# KiCad board pinstripe.kicad_pcb (continued)
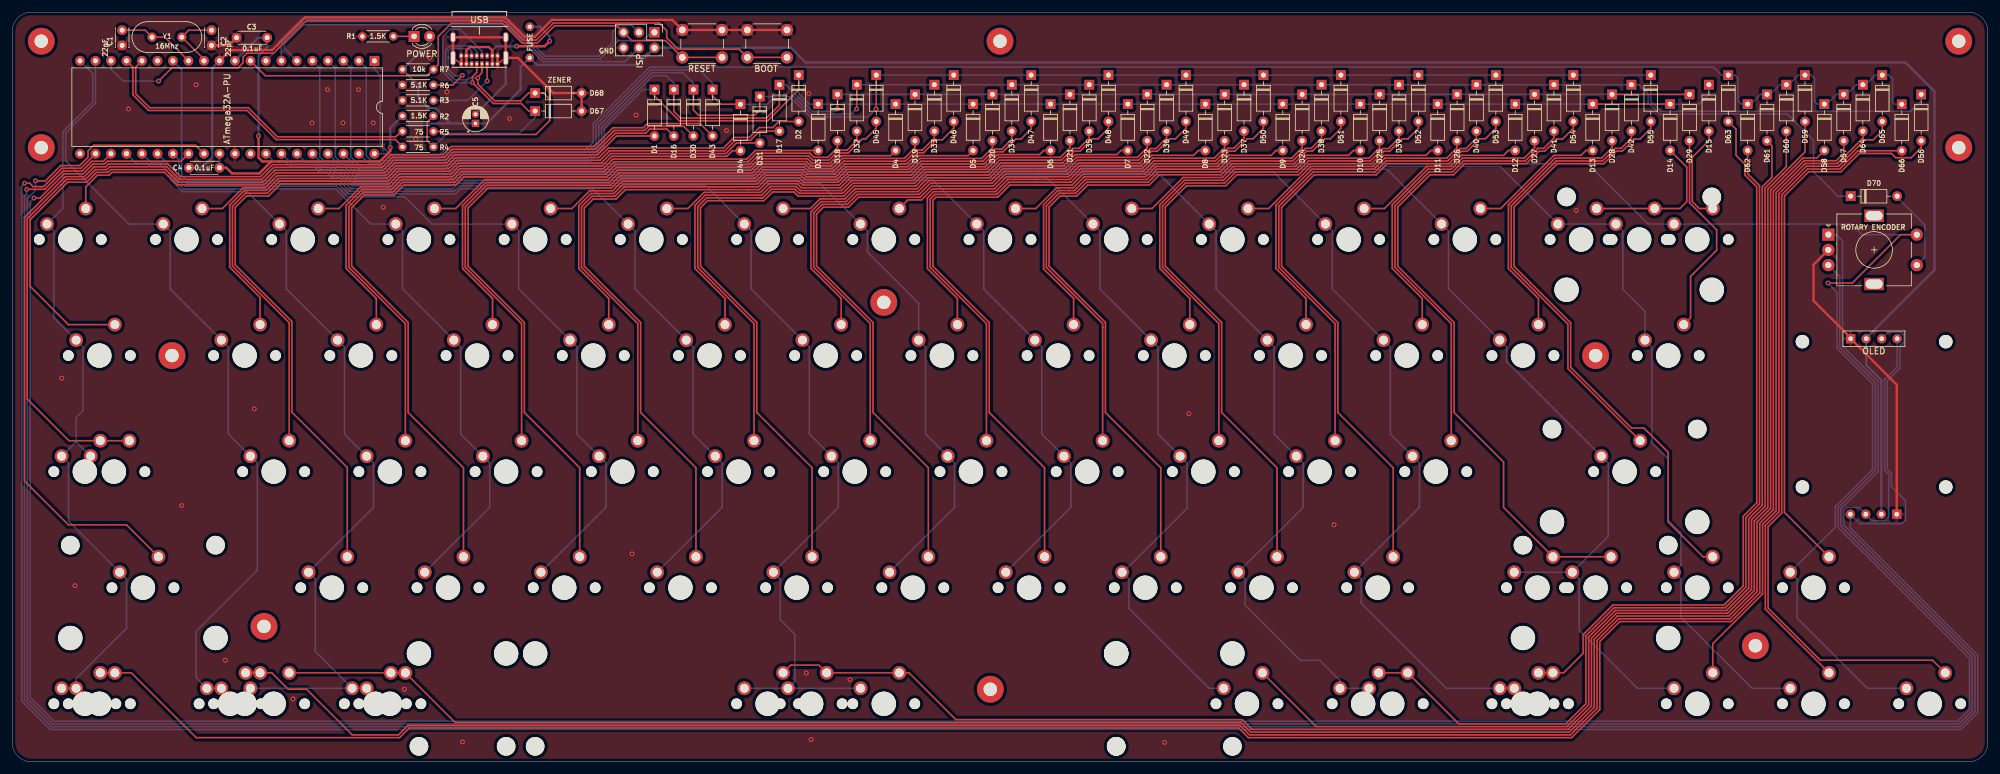
[diagram p0: board, top side]
## Routing (per net, layer and track width the routed paths; a pad name or vN(x,y) marks a point on that pad's centre or on a via; arc(x,y) is an arc through that point)
+5V: length 427.3
  Top w0.381: 75.95,105.1 75.84,105.1 ; v1(61.98,100.81) 61.98,100.24 60.27,98.53 43.81,98.53 ; 43.81,98.53 42.46,98.53 ; 43.81,98.53 43.68,98.53 ; 42.46,98.53 41.01,98.53 40.39,99.16 v1(40.39,102.71) ; 42.46,98.53 40.49,96.56 36.05,96.56 35.1,97.5 C4.1
  Bottom w0.381: OLED.2 303.91,65.12 306.39,62.64 DS1307.2 ; U1.10 36.69,115.05 ; U1.10 40.3,118.84 C3.1 41.78,117.28 40.39,115.89 40.39,104.11 ; U1.10 36.51,115.6 ; POWER.2 68.42,118.08 R7.1 66.55,111.06 66.55,109.19 68.2,107.28 69.34,107.28 71.85,104.77 ; 71.85,104.77 65.2,104.77 R2.1 61.98,104.02 v1(61.98,100.81) ; 71.85,104.77 C5.1 77.79,104.77 83.34,110.33 83.34,114.06 F1.1 86,114.39 102.48,114.39 ISP.2 127.64,117.19 130.05,114.78 310.36,114.78 315.12,110.01 315.12,80.74 303.94,69.56 ; U1.30 33.97,99.81 C4.1 ; 40.39,104.11 v1(40.39,102.71) ; 40.39,104.11 40.39,104.36
GND: length 228.3
  Top w0.254: USB.S1 USB.A1 ; 80.54,114.74 80.91,114.74 80.91,116.19 ; USB.S1 USB.A12
  Top w0.381: U1.11 35.73,116.81 38.1,116.81 ; 38.1,116.81 37.97,116.81 ; 38.1,116.81 42.62,116.81 47.99,122.17 80.77,122.17 83.98,118.97 85.67,118.97 88.47,121.77 106.26,121.77 106.27,121.76 108.2,121.76 RESET.1 RESET.1 127.15,120.11 ; ROTARY ENCODER.C 295.27,81.58 295.27,75.69 301.4,69.56 ; C3.2 35.52,117.58 C2.2 ; USB.B1 73.6,114.55 USB.A12 ; 93.35,110.24 D68.2 ; D68.2 D67.2 ; D68.2 88.68,109.76 82.91,115.53 USB.S1 USB.S1 USB.S1 USB.S1 ; D68.2 93.35,110.33 ; D68.2 93.35,109.92 ; OLED.1 308.93,61.88 DS1307.1 ; USB.B12 USB.A1 ; 63.97,108.55 R3.1
  Bottom w0.381: C4.2 31.05,97.5 32.78,99.24 32.78,113.86 U1.11 ; USB.S1 80.91,111.23 C5.2
  vias: v1(8.13,62.96) v1(10.29,28.92) v1(19.05,107.16) v1(27.78,42.07) v1(30.16,111.12) v1(34.92,16.67) v1(39.69,57.94) v1(46.04,10.32) v1(49.15,104.87) v1(51.69,110.33) v1(54.23,104.87) v1(56.77,110.33) v1(59.18,104.87) v1(60.83,91.03) v1(64.29,11.91) v1(66.17,102.2) v1(68.45,115.54) v1(71.25,109.95) v1(73.82,3.27) v1(81.51,105.57) v1(101.6,34.13) v1(102.29,106.14) v1(117.09,103.6) v1(130.18,14.57) v1(130.56,109.7) v1(130.97,3.65) v1(137.32,13.49) v1(188.91,3.17) v1(192.88,57.15) v1(216.69,38.89) v1(256.38,90.49)
VCC: length 24.8
  Top w0.381: USB.A4 78.71,115.87 USB.B9 78.7,116.76 78.14,117.32 75.01,117.32 74.45,116.76 USB.B4 74.46,115.87 USB.A9 ; v1(82.68,117.44) 87.28,117.44 v1(88.11,118.27)
  Bottom w0.381: v1(82.68,117.44) 79.39,117.44 78.7,116.76 USB.B9 ; v1(88.11,118.27) 88.11,119.06 86.52,120.65 F1.2
boot: length 123.3
  Top w0.254: 120.65,115.61 127.15,115.61 ; v1(24,111.73) 26.16,113.89 37.02,113.89 37.85,114.71 37.85,115.67 38.47,116.29 42.84,116.29 48.2,121.66 80.56,121.66 83.76,118.45 85.91,118.45 88.71,121.25 106.05,121.25 107.29,120.01 107.29,118.82 109.17,116.94 119.17,116.94 BOOT.2
  Bottom w0.254: 16.11,115.05 U1.18 16.19,113.7 18.16,111.73 v1(24,111.73)
COL0: length 124.4
  Top w0.254: 8.1,12.86 8.1,12.86
  Bottom w0.254: 10.48,52.55 MX_CL2.1 ; 10.48,52.55 MX_CL1.1 9.22,49.04 9.22,39.52 MX_LS1.1 18.75,29.99 18.75,21.93 10.48,13.66 10.48,12.07 10.48,12.06 MX_LCTRL1.1 ; 10.48,52.55 10.48,56.51 11.6,57.64 11.6,68.09 MX_TAB1.1 6.84,72.85 6.84,87.14 MX_ESC1.1 8.31,90.86 8.31,103.41 13.2,108.3 13.2,112.96 U1.20
COL1: length 128.6
  Bottom w0.254: U1.19 13.65,108.11 8.76,103.22 8.76,98.63 19.12,88.26 MX_1.1 25.89,87.14 25.89,77.62 MX_Q1.1 35.41,68.09 35.41,53.8 MX_A1.1 40.18,49.04 40.18,31.45 30.16,21.43 30.16,13.81 MX_WIN1.1 MX_LWIN2.1
COL2: length 139.4
  Bottom w0.254: 39.05,12.07 55.72,12.07 MX_LALT1.1 ; 55.72,12.86 55.72,12.86 ; MX_LALT1.1 MX_LALT3.1 ; MX_LALT1.1 49.7,18.08 49.7,29.99 MX_Z1.1 59.23,41.76 59.23,49.04 MX_S1.1 54.46,53.8 54.46,68.09 MX_W1.1 44.94,77.62 44.94,87.14 MX_2.1 38.52,93.56 27.91,93.56 25.95,95.53 25.95,96.39 24.37,97.97 22.47,97.97 22.2,98.24 20.31,98.24 U1.24
COL3: length 114.9
  Bottom w0.254: 21.27,99.73 U1.25 22.66,98.42 24.56,98.42 26.4,96.58 26.4,95.72 28.1,94.02 53.02,94.02 58.78,88.26 MX_3.1 63.99,87.14 63.99,77.62 MX_E1.1 73.51,68.09 73.51,53.8 MX_D1.1 78.28,49.04 78.28,41.76 MX_X1.1
COL4: length 131.6
  Bottom w0.254: 23.81,99.59 U1.26 26.86,96.76 26.86,95.9 28.29,94.47 53.21,94.47 54.94,92.75 64.29,92.75 68.77,88.26 MX_4.1 83.04,87.14 83.04,77.62 92.56,68.09 92.56,53.8 MX_F1.1 97.33,49.04 97.33,41.76 MX_C1.1
COL5: length 149.7
  Bottom w0.254: U1.27 27.31,98.85 27.31,96.09 28.48,94.93 53.4,94.93 55.13,93.2 72.63,93.2 73.5,94.07 95.16,94.07 MX_5.1 102.09,87.14 102.09,77.62 MX_T1.1 111.61,68.09 111.61,53.8 MX_G1.1 116.38,49.04 116.38,41.76 MX_V1.1
COL6: length 223.6
  Bottom w0.254: U1.14 27.77,113.64 27.77,96.28 28.67,95.38 53.59,95.38 55.31,93.65 72.44,93.65 73.31,94.52 113.76,94.52 MX_6.1 121.14,87.14 121.14,77.62 MX_Y1.1 130.66,68.09 130.66,53.8 MX_H1.1 135.43,49.04 135.43,41.76 MX_B1.1 125.9,29.99 125.9,23.32 128.28,20.94 128.28,13.19 MX_SPACE1.1 ; MX_SPACE2.1 MX_SPACE1.1 ; MX_SPACE1.1 MX_SPACE3.1
COL7: length 171.1
  Bottom w0.254: U1.33 42.91,98.5 44.81,98.5 45.7,97.61 49.53,97.61 50.38,96.76 51.6,96.76 52.52,95.83 53.77,95.83 55.5,94.11 72.25,94.11 73.12,94.98 132.56,94.98 132.56,94.77 MX_7.1 140.19,87.14 140.19,83.65 148.59,75.25 148.59,69.18 ; MX_U1.1 149.71,68.09 149.71,53.8 MX_J1.1 154.48,49.04 154.48,41.76 MX_N1.1
COL8: length 187.4
  Bottom w0.254: MX_M1.1 173.53,41.76 173.53,49.04 MX_K1.1 168.76,53.8 168.76,68.09 MX_I1.1 159.24,77.62 159.24,87.14 MX_8.1 150.95,95.43 72.93,95.43 72.06,94.56 55.69,94.56 53.96,96.29 52.71,96.29 51.78,97.21 50.56,97.21 49.72,98.06 45.88,98.06 U1.34
COL9: length 231.4
  Bottom w0.254: MX_,1.1 183.05,29.99 183.05,25.21 196.2,12.06 MX_RALT1.1 ; 192.58,41.61 181.93,30.96 ; U1.35 47.97,98.51 49.9,98.51 50.75,97.67 51.97,97.67 52.89,96.74 54.15,96.74 55.88,95.02 71.88,95.02 72.75,95.89 169.54,95.89 MX_9.1 178.29,87.14 178.29,77.62 MX_O1.1 187.81,68.09 187.81,53.8 MX_L1.1 192.58,49.04 192.58,41.62
COL10: length 253
  Bottom w0.254: U1.36 49.25,99.81 50.94,98.12 52.16,98.12 53.08,97.2 54.34,97.2 56.07,95.47 71.69,95.47 72.56,96.34 188.14,96.34 MX_0.1 197.34,87.14 197.34,77.62 MX_P1.1 206.86,68.09 206.86,53.8 MX_;1.1 211.63,49.04 211.63,41.76 MX_.1.1 202.1,29.99 202.1,25.7 211.14,16.67 214.31,16.67 217.65,13.33 MX_RALT2.1 MX_FN1.1
COL11: length 290.8
  Bottom w0.254: U1.5 50.42,113.84 50.42,99.28 51.13,98.57 52.35,98.57 53.27,97.65 54.53,97.65 56.25,95.92 71.5,95.92 72.37,96.79 204.74,96.79 ; 204.74,96.79 206.74,96.79 MX_-1.1 216.39,87.14 216.39,77.62 MX_[1.1 225.91,68.09 225.91,53.8 MX_'1.1 230.68,49.04 230.68,41.76 MX_/1.1 221.15,29.99 221.15,26 235.09,12.06 MX_RCTRL2.1 MX_RCTRL1.1 ; 204.74,96.79 204.79,96.79
COL12: length 298
  Bottom w0.254: MX_RS0.1 256.87,29.99 256.87,21.61 266.41,12.06 MX_LEFT1.1 ; MX_RS0.1 MX_RS1.1 ; MX_RS0.1 261.63,37 261.63,49.04 MX_ENTER1.1 244.96,65.71 244.96,68.09 MX_]1.1 235.44,77.62 235.44,87.14 MX_+1.1 225.33,97.25 72.18,97.25 71.31,96.38 56.44,96.38 54.71,98.1 53.46,98.1 U1.37
COL13: length 324.1
  Bottom w0.254: U1.4 52.96,113.84 52.96,99.27 53.67,98.56 54.9,98.56 56.63,96.83 71.12,96.83 71.99,97.7 243.93,97.7 MX_BKSP1.1 MX_BKSP0.1 264.01,87.14 264.01,77.55 267.65,73.91 MX_\1.1 268.78,68.09 268.78,52.39 271.46,49.7 271.46,39.69 273.54,37.61 273.54,32.24 MX_RS2.1 273.54,29.99 273.54,23.7 285.18,12.06 MX_DOWN1.1
COL14: length 368.7
  Top w0.254: ROTARY ENCODER.S2 309.56,86.52 301.62,78.58 v1(297.66,78.58)
  Bottom w0.254: ROTARY ENCODER.S2 303.21,86.52 301.47,88.26 MX_BKSP2.1 268.19,88.26 258.3,98.16 71.81,98.16 70.94,97.29 56.82,97.29 U1.38 ; v1(297.66,78.58) 299.13,76.99 299.13,67.89 304.96,62.05 304.96,48 298.86,41.9 298.86,38.51 MX_UP1.1 292.59,29.99 292.59,23.58 304.1,12.06 MX_RIGHT1.1
D+: length 52.8
  Top w0.254: U1.16 20.24,114.02 20.24,109.65 22.54,107.36 38.69,107.36 43.47,102.58 62.81,102.58 R5.1
D-: length 53.8
  Top w0.254: R4.1 62.81,102.13 43.28,102.13 38.51,106.9 22.35,106.9 19.79,109.46 19.79,113.99 U1.17
EN1: length 533.1
  Top w0.254: v1(3.81,95.35) 5.44,95.35 7.95,97.86 11.06,97.86 12.45,99.24 12.45,100.27 13.37,101.2 30.05,101.2 U1.29
  Bottom w0.254: v1(3.81,95.35) 3.81,93.79 2.47,92.44 2.47,10.38 6.64,6.21 319.1,6.21 321.29,8.4 321.29,17.14 299.76,38.67 299.76,41.52 305.87,47.62 305.87,62.43 300.04,68.26 300.04,85.45 298.97,86.52 ROTARY ENCODER.A ; 296.92,86.52 298.17,86.52
EN2: length 518.5
  Top w0.254: v1(3.58,92.53) 4.55,92.53 8.52,96.5 11.63,96.5 12.95,97.82 12.95,97.83 13.23,98.1 15.13,98.1 15.58,98.56 27.64,98.56 U1.28
  Bottom w0.254: ROTARY ENCODER.B 299.58,79.65 299.58,68.07 305.42,62.24 305.42,47.81 299.31,41.71 299.31,38.48 320.84,16.95 320.84,8.59 318.91,6.67 6.83,6.67 2.92,10.57 2.92,91.87 v1(3.58,92.53)
MISO: length 69.8
  Bottom w0.254: U1.7 44.13,117.95 47.62,121.43 81.11,121.43 87.19,115.36 96.34,115.36 99.35,118.37 103.41,118.37 104.77,119.73 ISP.1
MOSI: length 66.5
  Bottom w0.254: ISP.4 100.46,114.9 87,114.9 80.93,120.98 47.8,120.98 44.59,117.76 44.59,117.14 U1.6
reset: length 89.2
  Top w0.254: RESET.2 RESET.2 107.1,118.37 101.57,118.37 ISP.5 99.13,120.8 88.9,120.8 86.09,118 83.58,118 80.37,121.2 71.99,121.2 69.85,119.06 69.85,114.43 R7.2 68.03,112.61 41.5,112.61 U1.9
ROW0: length 259.3
  Top w0.254: D1.1 105.28,109.28 109.36,105.2 123.83,105.2 128.94,110.31 D2.1 ; D13.1 D14.1
  Bottom w0.254: D2.1 128.94,109.65 130.63,107.95 D3.1 D4.1 D5.1 D6.1 D7.1 D8.1 D9.1 D10.1 D11.1 D12.1 D13.1 ; D14.1 276.54,107.95 278.13,109.54 278.13,110.59 ; U1.3 55.5,113.84 55.5,99.27 57.03,97.74 70.75,97.74 71.62,98.61 94.73,98.61 97.07,100.94 97.07,104.01 103.39,110.33 D1.1
ROW1: length 240.7
  Top w0.254: D18.1 135.29,107.19 v1(135.25,107.16) ; D28.1 D29.1 ; D17.1 125.76,107.78 123.64,105.65 109.55,105.65 108.46,106.74 D16.1
  Bottom w0.254: D28.1 D27.1 D26.1 D25.1 D24.1 D23.1 D22.1 D21.1 D20.1 D19.1 D18.1 ; U1.39 58.45,98.19 70.56,98.19 71.43,99.06 94.54,99.06 96.61,101.13 96.61,104.19 105.04,112.62 107.23,112.62 108.46,111.39 D16.1 ; v1(135.25,107.16) 134.86,106.76 131.18,106.76 126.82,111.12 D17.1
ROW2: length 292.5
  Top w0.254: D32.1 138.46,108.84 v1(138.43,107.16) ; D30.1 111.66,106.97 112.52,106.11 121.67,106.11 122.55,107 D31.1
  Bottom w0.254: D30.1 111.66,111.39 109.94,113.11 104.87,113.11 104.87,113.09 96.16,104.38 96.16,101.32 94.36,99.52 71.24,99.52 70.37,98.65 58.87,98.65 58.04,99.48 58.04,113.84 U1.2 ; D31.1 128.11,109.19 131,106.3 137.58,106.3 v1(138.43,107.16) ; D70.1 299.28,92.84 295.27,96.84 295.27,102.03 290.98,106.32 270.07,106.32 268.15,108.24 268.15,109.67 266.7,111.12 D42.1 D41.1 D40.1 D39.1 D38.1 D37.1 D36.1 D35.1 D34.1 D33.1 D32.1
ROW3: length 279.6
  Top w0.254: D44.1 116.17,107.92 114.81,109.28 D43.1 ; v1(141.61,107.16) 141.64,107.19 D45.1 141.61,112.74 ; 141.64,107.06 141.61,107.03
  Bottom w0.254: v1(141.61,107.16) 140.3,105.85 130.81,105.85 127.92,108.73 124.59,108.73 123.77,107.92 D44.1 ; D43.1 114.81,111.39 112.63,113.56 104.68,113.56 95.7,104.59 95.7,101.51 94.17,99.97 71.05,99.97 70.18,99.1 61.91,99.1 61.2,99.81 U1.40 ; D45.1 D46.1 D47.1 D48.1 D49.1 D50.1 D51.1 D52.1 D53.1 D54.1 D55.1 268.6,108.43 270.26,106.78 311.22,106.78 312.93,108.48 D56.1
ROW4: length 290
  Bottom w0.254: 104.77,114.01 105.57,114.01 ; 104.77,114.01 278.89,114.01 280.19,112.71 D63.1 282.36,112.71 282.9,112.17 282.9,108.48 283.43,107.95 D62.1 285.01,107.95 286.6,109.54 D61.1 288.19,109.54 289.78,111.12 D60.1 291.2,111.12 292.79,112.71 294.9,112.71 295.43,112.18 295.43,108.43 295.91,107.95 297.47,107.95 299.05,109.54 300.73,109.54 302.32,111.12 D64.1 303.82,111.12 305.4,112.71 D65.1 307.6,112.71 308.23,112.08 308.23,108.3 308.61,107.92 D66.1 309.75,107.76 ; 104.77,114.01 104.49,114.01 95.25,104.77 95.25,101.7 93.98,100.43 70.87,100.43 70,99.56 62.1,99.56 60.33,101.33 60.33,112.71 59.37,113.66 U1.1
SCK: length 70.7
  Bottom w0.254: ISP.3 101.57,120.91 99.48,120.91 98.42,119.86 98.42,118.09 96.15,115.81 87.38,115.81 81.3,121.89 47.43,121.89 43.68,118.14 43.68,117.14 U1.8
SCL: length 511.1
  Top w0.254: 5.71,94.97 5.14,94.41 4.76,94.41 3.43,94.4 2.87,94.96 v1(2.03,94.96) ; 5.71,94.97 8.14,97.41 11.25,97.41 U1.22 ; 5.71,94.97 5.7,94.96
  Bottom w0.254: OLED.3 307.54,70.53 309.51,70.53 310.08,69.96 310.08,68.91 309.45,68.28 309.45,64.6 307.36,62.52 307.36,48.09 308.05,47.4 308.05,45.17 310.36,42.86 310.36,39.69 309.77,39.1 302.85,39.1 DS1307.4 301.31,38.41 322.2,17.52 322.2,8.03 319.48,5.31 6.26,5.31 1.56,10.01 1.56,94.49 v1(2.03,94.96)
SDA: length 503.7
  Top w0.254: v1(2.38,93.95) 4.58,93.95 5.33,93.95 8.33,96.95 11.44,96.95 13.04,98.56 14.94,98.56 U1.23
  Bottom w0.254: OLED.4 308.99,64.79 306.91,62.71 306.91,47.9 307.59,47.21 307.59,40.23 306.91,39.55 304.94,39.55 DS1307.3 302.76,41.73 300.78,41.73 300.22,41.16 300.22,38.85 321.74,17.33 321.74,8.21 319.29,5.76 6.45,5.76 2.01,10.2 2.01,92.87 2.38,93.24 v1(2.38,93.95)
Net-(C1-Pad1): length 13
  Top w0.254: C1.1 21.78,120.08 Y1.2 25,118.94 U1.13
Net-(C2-Pad1): length 11.3
  Top w0.254: C2.1 28.94,120.08 Y1.1 31.43,115.31 U1.12
  Bottom w0.254: 30.9,115.05 U1.12
Net-(D1-Pad2): length 101.9
  Top w0.254: MX_ESC1.2 12.07,94.36 13.99,96.29 15.88,96.29 16.33,96.74 24.97,96.74 27.03,94.68 41.27,94.68 43.24,96.65 61.04,96.65 62.69,98.3 71.21,98.3 72.53,99.63 95.97,99.63 99.06,102.71 D1.2
Net-(D2-Pad2): length 103.7
  Top w0.254: MX_1.2 34.44,90.8 37.86,94.23 41.46,94.23 43.42,96.2 61.23,96.2 62.88,97.85 71.4,97.85 72.72,99.17 96.16,99.17 97.73,100.74 116.59,100.74 118.33,102.48 120.84,102.48 122.47,104.11 124.7,104.11 125.68,105.09 D2.2
Net-(D3-Pad2): length 85.9
  Top w0.254: MX_2.2 53.57,90.8 57.15,94.38 61.98,94.38 63.64,96.03 72.15,96.03 73.47,97.36 96.91,97.36 98.48,98.92 120.41,98.92 120.52,99.03 120.52,99.03 121.82,100.33 D3.2
Net-(D4-Pad2): length 80.1
  Top w0.254: MX_3.2 72.7,90.8 77.43,95.54 97.67,95.54 99.22,97.09 121.15,97.09 122.58,98.51 130.21,98.51 130.88,97.84 134.27,97.84 135.91,99.48 143.96,99.48 D4.2
Net-(D5-Pad2): length 73.7
  Top w0.254: D5.2 156.67,99.49 148.61,99.49 146.79,97.67 136.66,97.67 135.02,96.02 130.13,96.02 129.46,96.7 123.33,96.7 121.9,95.27 120.65,95.27 99.96,95.27 98.42,93.72 94.67,93.72 91.75,90.8 MX_4.2
Net-(D6-Pad2): length 67.4
  Top w0.254: D6.2 169.08,100.33 168.41,99.66 161.48,99.66 159.49,97.67 149.36,97.67 147.55,95.85 137.41,95.85 135.77,94.21 129.38,94.21 128.7,94.88 124.08,94.88 122.65,93.45 113.42,93.45 110.77,90.8 MX_5.2
Net-(D7-Pad2): length 60.5
  Top w0.254: D7.2 181.75,100.33 181.08,99.66 174.23,99.66 172.41,97.84 162.24,97.84 160.25,95.85 150.11,95.85 148.3,94.03 138.17,94.03 136.52,92.39 132.42,92.39 130.83,90.8 MX_6.2
Net-(D8-Pad2): length 54.1
  Top w0.254: D8.2 194.45,100.33 193.65,99.53 186.75,99.53 185.07,97.84 174.98,97.84 173.17,96.02 168.18,96.02 162.99,96.02 161,94.03 150.87,94.03 149.05,92.22 146.83,92.22 MX_7.2
Net-(D9-Pad2): length 47.8
  Top w0.254: D9.2 207.15,100.33 207.14,100.32 207.14,100.3 206.37,99.53 199.43,99.53 197.61,97.71 187.51,97.71 185.82,96.02 175.74,96.02 173.92,94.21 171.2,94.21 167.8,90.8 MX_8.2
Net-(D10-Pad2): length 41.4
  Top w0.254: D10.2 219.85,100.33 219.05,99.54 218.57,99.54 212.13,99.53 210.31,97.71 200.18,97.71 198.37,95.9 191.94,95.9 186.85,90.8 MX_9.2
Net-(D11-Pad2): length 35.1
  Top w0.254: MX_0.2 205.97,90.8 212.88,97.71 223.01,97.71 224.83,99.53 231.77,99.53 231.77,99.56 232.55,100.33 D11.2
Net-(D12-Pad2): length 28.7
  Top w0.254: MX_-1.2 224.95,90.8 231.86,97.71 235.71,97.71 237.53,99.53 244.45,99.53 245.25,100.33 D12.2
Net-(D13-Pad2): length 22.4
  Top w0.254: MX_+1.2 244,90.8 252.73,99.53 257.17,99.53 257.94,100.3 257.94,100.32 257.95,100.33 D13.2
Net-(D14-Pad2): length 24.8
  Top w0.254: MX_BKSP1.2 MX_BKSP0.2 273.37,90.8 274.5,91.94 274.5,97.61 D14.2
Net-(D15-Pad2): length 16.5
  Top w0.254: MX_BKSP2.2 276.55,90.8 275.41,91.95 275.41,99.23 278.13,101.95 D15.2
Net-(D16-Pad2): length 143.3
  Top w0.254: 27.22,95.14 25.77,96.58 ; 27.22,95.14 25.77,96.58 ; 27.22,95.14 41.08,95.14 43.05,97.1 60.86,97.1 62.51,98.76 71.02,98.76 72.34,100.08 95.79,100.08 98.87,103.17 103.83,103.17 104.51,103.84 107.33,103.84 D16.2 ; MX_TAB1.2 9.21,71.75 2.92,78.04 2.92,88.95 9.11,95.14 12.2,95.14 13.8,96.74 15.69,96.74 16.15,97.19 25.16,97.19 25.77,96.58
Net-(D17-Pad2): length 116
  Top w0.254: D17.2 122.51,103.5 121.03,102.02 118.52,102.02 116.78,100.28 97.92,100.28 96.35,98.72 72.91,98.72 71.58,97.39 63.07,97.39 61.42,95.74 43.61,95.74 41.64,93.77 38.05,93.77 35.65,91.37 35.65,81.18 40.64,76.19 40.64,72.55
Net-(D18-Pad2): length 107.9
  Top w0.254: 120.71,98.57 120.6,98.47 98.67,98.47 97.1,96.9 73.66,96.9 72.34,95.58 63.82,95.58 62.17,93.93 57.94,93.93 ; 120.71,98.57 122.01,99.88 130.77,99.88 131.44,99.2 133.7,99.2 135.29,100.79 D18.2 ; 120.71,98.57 120.7,98.57 120.65,98.52 ; 57.94,93.93 57.93,93.93 ; 57.94,93.93 57.34,93.93 54.74,91.33 54.74,80.99 59.69,76.04 MX_W1.2
Net-(D19-Pad2): length 101.4
  Top w0.254: D19.2 147.99,100.79 146.23,99.03 136.1,99.03 134.46,97.39 130.69,97.39 130.02,98.06 122.77,98.06 121.34,96.63 120.49,96.63 99.4,96.63 97.85,95.09 77.62,95.09 73.82,91.28 73.82,80.96 78.74,76.04 MX_E1.2
Net-(D20-Pad2): length 95
  Top w0.254: MX_R1.2 97.79,76.04 92.87,80.96 92.87,91.28 94.86,93.27 98.61,93.27 100.15,94.82 122.09,94.82 123.52,96.24 129.27,96.24 129.94,95.57 135.21,95.57 136.85,97.21 146.98,97.21 148.8,99.03 158.93,99.03 160.69,100.79 D20.2
Net-(D21-Pad2): length 88.7
  Top w0.254: D21.2 173.39,100.79 171.8,99.2 161.67,99.2 159.68,97.21 149.55,97.21 147.73,95.4 137.6,95.4 135.96,93.75 129.19,93.75 128.52,94.43 124.27,94.43 122.84,93 122.46,93 113.6,93 111.92,91.31 111.92,80.96 116.84,76.04 MX_T1.2
Net-(D22-Pad2): length 81.2
  Top w0.254: D22.2 186.06,100.79 184.53,99.28 184.45,99.2 174.42,99.2 172.6,97.39 168.75,97.39 162.42,97.39 160.43,95.4 150.3,95.4 148.49,93.58 138.35,93.58 136.71,91.94 132.61,91.94 130.94,90.27 130.94,80.99 135.89,76.04 MX_Y1.2
Net-(D23-Pad2): length 76.1
  Top w0.254: D23.2 198.75,100.79 197.04,99.08 186.94,99.08 185.25,97.39 175.17,97.39 173.35,95.57 167.99,95.57 163.18,95.57 161.19,93.58 151.05,93.58 150.02,92.55 150.02,80.96 154.94,76.04 MX_U1.2
Net-(D24-Pad2): length 69.1
  Top w0.254: MX_I1.2 173.99,76.04 169.07,80.87 169.07,91.43 171.39,93.75 174.11,93.75 175.92,95.57 186.01,95.57 187.69,97.26 197.8,97.26 199.62,99.08 209.74,99.08 211.45,100.79 D24.2
Net-(D25-Pad2): length 62.8
  Top w0.254: D25.2 224.15,100.79 222.44,99.08 212.31,99.08 210.5,97.26 200.37,97.26 198.55,95.44 192.13,95.44 188.12,91.43 188.12,80.96 193.04,76.04 MX_O1.2
Net-(D26-Pad2): length 56.4
  Top w0.254: D26.2 236.85,100.79 235.14,99.08 225.01,99.08 223.2,97.26 213.07,97.26 207.17,91.36 207.17,80.96 212.09,76.04 MX_P1.2
Net-(D27-Pad2): length 50.1
  Top w0.254: D27.2 249.56,100.79 247.85,99.08 237.72,99.08 235.9,97.26 232.05,97.26 226.22,91.43 226.22,80.96 231.14,76.04 MX_[1.2
Net-(D28-Pad2): length 43.9
  Top w0.254: 259.89,99.08 260.53,99.08 260.6,99.16 262.25,100.79 D28.2 ; 259.89,99.08 260.1,99.08 ; 259.89,99.08 252.91,99.08 245.27,91.43 245.27,80.96 250.19,76.04 MX_]1.2
Net-(D29-Pad2): length 34.2
  Top w0.254: D29.2 274.95,91.76 279.4,87.31 279.4,83.95 275.13,79.68 275.13,72.88 MX_\1.2
Net-(D30-Pad2): length 167
  Top w0.254: 11.94,95.6 12.02,95.6 13.61,97.19 15.5,97.19 15.96,97.65 25.35,97.65 27.41,95.59 40.89,95.59 42.86,97.56 60.67,97.56 62.32,99.21 70.83,99.21 72.16,100.53 95.6,100.53 98.68,103.62 103.64,103.62 104.32,104.29 110.08,104.29 D30.2 ; 11.94,95.59 8.92,95.59 8.58,95.25 8.58,95.25 7.94,94.61 7.94,94.61 2.47,89.14 2.47,59.53 9.29,52.7 MX_CL1.2 MX_CL2.2
Net-(D31-Pad2): length 132.3
  Top w0.254: D31.2 118.71,101.57 116.97,99.83 98.1,99.83 96.54,98.26 73.1,98.26 71.77,96.94 63.26,96.94 61.61,95.29 43.8,95.29 41.83,93.32 38.24,93.32 36.1,91.18 36.1,81.37 45.4,72.07 45.4,53.5
Net-(D32-Pad2): length 132.1
  Top w0.254: MX_S1.2 64.45,71.92 55.19,81.18 55.19,91.14 57.53,93.47 62.36,93.47 64.01,95.12 72.52,95.12 73.85,96.45 97.29,96.45 98.86,98.01 120.79,98.01 122.2,99.42 130.58,99.42 131.26,98.75 133.89,98.75 135.53,100.39 136.86,100.39 138.46,101.99 D32.2
Net-(D33-Pad2): length 125.5
  Top w0.254: D33.2 151.16,102.37 149.18,100.4 148.24,100.4 146.42,98.57 136.29,98.57 134.64,96.93 130.5,96.93 129.83,97.61 122.95,97.61 121.52,96.18 99.59,96.18 98.04,94.63 77.81,94.63 74.27,91.09 74.27,81.15 83.5,71.92 MX_D1.2
Net-(D34-Pad2): length 119.3
  Top w0.254: 163.86,103.38 D34.2 163.86,102.2 162.22,100.57 161.11,100.57 159.12,98.57 148.99,98.57 147.17,96.76 146.95,96.76 137.04,96.76 135.4,95.12 129.75,95.12 129.08,95.79 123.71,95.79 122.28,94.36 100.34,94.36 98.79,92.82 95.04,92.82 93.32,91.09 93.32,81.15 102.55,71.92 MX_F1.2
Net-(D35-Pad2): length 112.8
  Top w0.254: D35.2 176.56,102.37 174.87,100.68 173.92,100.68 171.99,98.75 161.86,98.75 159.87,96.76 149.74,96.76 147.92,94.94 137.79,94.94 136.15,93.3 129,93.3 128.33,93.97 124.46,93.97 123.03,92.55 122.68,92.55 113.79,92.55 112.37,91.12 112.37,81.15 121.6,71.92 MX_G1.2
Net-(D36-Pad2): length 105.3
  Top w0.254: D36.2 189.23,102.37 187.51,100.65 186.56,100.65 184.66,98.75 174.61,98.75 172.79,96.93 168.56,96.93 162.61,96.93 160.62,94.94 150.49,94.94 148.67,93.13 138.54,93.13 136.9,91.48 132.8,91.48 131.39,90.08 131.39,81.18 140.65,71.92 MX_H1.2
Net-(D37-Pad2): length 100.4
  Top w0.254: 150.47,90.29 150.47,90.47 ; 150.47,90.29 150.47,81.15 159.7,71.92 MX_J1.2 ; 150.47,90.29 150.47,92.36 151.24,93.13 161.37,93.13 163.36,95.12 167.8,95.12 173.54,95.12 175.36,96.93 185.44,96.93 187.13,98.62 197.23,98.62 199.29,100.68 200.24,100.68 201.93,102.37 D37.2
Net-(D38-Pad2): length 93.4
  Top w0.254: 178.75,71.28 MX_K1.2 ; 178.75,71.28 178.75,71.44 ; 178.75,71.28 178.75,71.92 169.52,81.15 169.52,91.24 171.58,93.3 174.3,93.3 176.11,95.12 186.19,95.12 187.88,96.81 197.99,96.81 199.81,98.62 209.93,98.62 211.99,100.68 212.94,100.68 214.63,102.37 D38.2
Net-(D39-Pad2): length 86.9
  Top w0.254: D39.2 227.33,102.37 225.61,100.65 224.66,100.65 222.63,98.62 212.5,98.62 210.69,96.81 200.56,96.81 198.74,94.99 192.32,94.99 188.57,91.24 188.57,81.15 197.8,71.92 MX_L1.2
Net-(D40-Pad2): length 80.5
  Top w0.254: D40.2 240.03,102.37 238.31,100.65 237.36,100.65 235.33,98.62 225.2,98.62 223.39,96.81 213.25,96.81 207.62,91.18 207.62,81.15 216.85,71.92 MX_;1.2
Net-(D41-Pad2): length 74.2
  Top w0.254: D41.2 252.73,102.37 251.04,100.68 250.09,100.68 248.04,98.63 237.9,98.63 236.09,96.81 232.23,96.81 226.67,91.24 226.67,81.15 235.9,71.92 MX_'1.2
Net-(D42-Pad2): length 72.7
  Top w0.254: MX_ENTER1.2 255.02,64.55 255.02,71.86 245.72,81.15 245.72,91.24 253.1,98.63 260.74,98.63 262.79,100.68 263.74,100.68 265.43,102.37 D42.2
Net-(D43-Pad2): length 192.1
  Top w0.254: 94.11,100.99 95.41,100.99 98.5,104.07 103.46,104.07 104.13,104.75 112.77,104.75 D43.2 ; 94.11,100.99 71.97,100.99 70.64,99.66 62.13,99.66 60.48,98.01 42.67,98.01 40.7,96.04 27.6,96.04 25.54,98.1 15.77,98.1 15.32,97.65 13.42,97.65 13.41,97.64 13.41,97.63 11.82,96.04 8.73,96.04 2.41,89.76 2.41,89.73 2.01,89.33 2.01,46.09 9.21,38.89 18.73,38.89 MX_LS1.2 ; 94.11,100.99 94.16,100.99
Net-(D44-Pad2): length 150.8
  Top w0.254: D44.2 118.08,100.3 117.16,99.37 98.29,99.37 96.73,97.81 73.28,97.81 71.96,96.49 63.45,96.49 61.8,94.83 61.42,94.83 43.99,94.83 42.02,92.87 38.43,92.87 36.56,91 36.56,81.56 45.86,72.26 45.86,57.37 54.93,48.3 54.93,34.45
Net-(D45-Pad2): length 158
  Top w0.254: D45.2 141.64,103.96 139.88,102.2 139.32,102.2 137.05,99.94 135.72,99.94 134.08,98.29 131.07,98.29 130.4,98.97 122.39,98.97 120.97,97.54 99.03,97.54 97.48,95.99 74.04,95.99 72.71,94.67 64.2,94.67 62.55,93.02 57.71,93.02 55.65,90.95 55.65,81.37 64.91,72.11 64.91,57.33 73.98,48.26 MX_X1.2
Net-(D46-Pad2): length 151.5
  Top w0.254: D46.2 154.34,103.96 152.45,102.08 151.51,102.08 149.37,99.94 148.43,99.94 146.6,98.12 146.28,98.12 136.47,98.12 134.83,96.48 134.48,96.48 130.32,96.48 129.64,97.15 123.14,97.15 121.71,95.72 120.77,95.72 99.78,95.72 98.23,94.18 78,94.18 74.73,90.91 74.73,81.34 83.96,72.11 83.96,57.33 93.03,48.26 MX_C1.2
Net-(D47-Pad2): length 145.5
  Top w0.254: 120.48,93.91 100.53,93.91 98.98,92.36 95.23,92.36 93.78,90.91 93.78,81.34 103.01,72.11 103.01,57.33 112.08,48.26 MX_V1.2 ; 120.48,93.91 122.46,93.91 123.89,95.34 128.89,95.34 129.56,94.66 135.58,94.66 137.23,96.3 147.36,96.3 149.17,98.12 159.3,98.12 ; 120.48,93.91 120.65,93.91 ; 159.3,98.12 159.26,98.12 159.3,98.12 ; 159.3,98.12 161.3,100.11 162.41,100.11 164.5,102.2 165.35,102.2 167.04,103.89 D47.2
Net-(D48-Pad2): length 138.8
  Top w0.254: D48.2 179.7,103.96 178,102.25 177.08,102.25 175.06,100.23 174.11,100.23 172.18,98.29 162.05,98.29 160.06,96.3 149.93,96.3 148.11,94.49 137.98,94.49 136.34,92.85 128.81,92.85 128.14,93.52 124.65,93.52 123.22,92.09 113.98,92.09 112.83,90.94 112.83,81.34 122.06,72.11 122.06,57.33 131.13,48.26 MX_B1.2
Net-(D49-Pad2): length 131.3
  Top w0.254: MX_N1.2 150.18,48.26 141.11,57.33 141.11,72.11 131.85,81.37 131.85,89.89 132.99,91.03 137.09,91.03 138.73,92.67 148.86,92.67 150.68,94.49 160.81,94.49 162.8,96.48 168.37,96.48 172.98,96.48 174.79,98.29 184.85,98.29 186.75,100.2 187.7,100.2 188.28,100.78 188.29,100.78 189.76,102.25 190.7,102.25 192.41,103.96 D49.2
Net-(D50-Pad2): length 126.3
  Top w0.254: D50.2 205.11,103.96 203.4,102.25 202.45,102.25 200.42,100.23 199.48,100.23 197.42,98.17 187.32,98.17 185.63,96.48 175.55,96.48 173.73,94.66 167.62,94.66 163.55,94.66 161.56,92.67 151.43,92.67 150.93,92.17 150.93,81.34 160.16,72.11 160.16,57.33 169.23,48.26 MX_M1.2
Net-(D51-Pad2): length 119.3
  Top w0.254: D51.2 217.81,103.96 216.1,102.25 215.15,102.25 213.12,100.23 212.18,100.23 210.12,98.17 199.99,98.17 198.18,96.35 188.07,96.35 186.38,94.66 176.3,94.66 174.48,92.85 171.77,92.85 169.98,91.06 169.98,81.34 179.21,72.11 179.21,57.33 188.28,48.26 MX_,1.2
Net-(D52-Pad2): length 112.9
  Top w0.254: MX_.1.2 207.33,48.26 198.26,57.33 198.26,72.11 189.03,81.34 189.03,91.06 192.51,94.54 198.93,94.54 200.75,96.35 210.87,96.35 212.69,98.17 222.82,98.17 224.85,100.2 225.8,100.2 227.84,102.24 228.78,102.24 230.5,103.96 D52.2
Net-(D53-Pad2): length 106.5
  Top w0.254: D53.2 243.2,103.96 241.5,102.25 240.55,102.25 238.5,100.2 237.55,100.2 235.52,98.17 225.39,98.17 223.57,96.35 213.44,96.35 208.08,90.99 208.08,81.34 217.31,72.11 217.31,57.33 226.38,48.26 MX_/1.2
Net-(D54-Pad2): length 112.7
  Top w0.254: D54.2 255.9,103.96 254.15,102.2 253.2,102.2 251.22,100.23 250.28,100.23 248.22,98.17 238.09,98.17 236.27,96.35 232.42,96.35 227.13,91.06 227.13,81.34 236.36,72.11 236.36,57.33 244.47,49.21 244.47,41.75 MX_RS1.2 MX_RS0.2
Net-(D55-Pad2): length 101.9
  Top w0.254: MX_RS2.2 277.17,33.66 271.46,39.37 271.46,50.8 267.49,54.77 265.44,54.77 255.47,64.74 255.47,72.05 246.18,81.34 246.18,91.06 253.29,98.17 260.92,98.17 262.98,100.23 263.92,100.23 265.9,102.2 266.85,102.2 268.6,103.96 D55.2
Net-(D56-Pad2): length 89.6
  Top w0.254: D56.2 312.93,100.79 311.3,99.16 308.74,99.16 308.05,99.84 302.77,99.84 299.76,96.84 294.48,96.84 290.51,92.87 290.51,40.96 MX_UP1.2
Net-(D57-Pad2): length 377.1
  Top w0.254: D57.2 300.23,99.87 299.01,98.65 293.73,98.65 288.7,93.62 288.7,41.39 286.47,39.16 286.47,27.74 282.54,23.81 281.75,23.02 263.52,23.02 260.24,19.74 260.24,8.59 255.62,3.97 202.64,3.97 201.05,5.56 65.09,5.56 63.5,3.97 30.16,3.97 19.52,14.61 16.83,14.61 16.83,14.6 MX_LCTRL1.2
Net-(D58-Pad2): length 347.9
  Top w0.254: D58.2 295.83,99.11 293.54,99.11 288.24,93.81 288.24,41.57 286.02,39.35 286.02,28.31 286.02,27.93 285.23,27.14 281.56,23.47 263.34,23.47 259.79,19.92 259.79,8.78 255.43,4.42 202.82,4.42 201.24,6.01 64.9,6.01 63.31,4.42 55.74,4.42 48.26,11.91 45.24,11.91 42.55,14.6 MX_WIN1.2
Net-(D59-Pad2): length 340.8
  Top w0.254: 62.07,15.4 62.07,15.4 ; 45.4,14.61 62.07,14.61 MX_LALT1.2 MX_LALT3.2 72.59,6.46 201.42,6.46 203.01,4.88 255.25,4.88 259.33,8.96 259.33,20.11 263.15,23.93 281.37,23.93 284.77,27.33 285.57,28.12 285.57,39.54 287.79,41.76 287.79,94 290.3,96.51 293.88,100.09 D59.2
  Bottom w0.254: 62.07,15.4 62.07,15.4
Net-(D60-Pad2): length 257.3
  Top w0.254: MX_SPACE2.2 127.64,15.88 132.24,15.88 MX_SPACE1.2 MX_SPACE3.2 147.01,14.6 154.69,6.92 201.61,6.92 203.2,5.33 255.06,5.33 258.88,9.15 258.88,20.3 262.96,24.38 281.19,24.38 285.11,28.31 285.11,39.73 287.33,41.95 287.33,94.19 290.83,97.68 D60.2
Net-(D61-Pad2): length 174.6
  Top w0.254: D61.2 288.45,101.12 288.45,95.95 286.88,94.37 286.88,42.14 284.66,39.91 284.66,28.5 281,24.83 262.77,24.83 258.42,20.48 258.42,9.34 254.87,5.78 213.77,5.78 MX_RALT1.2
Net-(D62-Pad2): length 152.9
  Top w0.254: MX_RALT2.2 MX_FN1.2 237.12,6.24 254.68,6.24 257.97,9.52 257.97,20.67 262.58,25.29 280.81,25.29 284.2,28.68 284.2,40.1 286.43,42.33 286.43,94.56 284.48,96.51 D62.2
Net-(D63-Pad2): length 120.3
  Top w0.254: D63.2 282.57,103.82 282.57,99.54 284.03,98.09 284.03,96.32 285.97,94.37 285.97,42.51 283.75,40.29 283.75,28.87 280.62,25.74 262.4,25.74 257.51,20.86 257.51,17.8 254.32,14.6 MX_RCTRL1.2 MX_RCTRL2.2
Net-(D64-Pad2): length 102.2
  Top w0.254: MX_LEFT1.2 278.76,19.39 286.93,27.56 286.93,38.97 289.15,41.2 289.15,93.43 293.92,98.2 299.2,98.2 303.37,102.37 D64.2
